# Altium PCB Carte_Alim.PcbDoc (part 1 of 2)
Units mm, origin at the board's own origin, x right, y up, seen from the top; angles counter-clockwise.
Board outline 100 x 100 mm, 2 copper layers (Component Side, Solder Side), stack 1.57 mm thick; 237 components, 108 nets, 701 pads, 318 vias.
Unrouted connection lines stored in the file: 5.
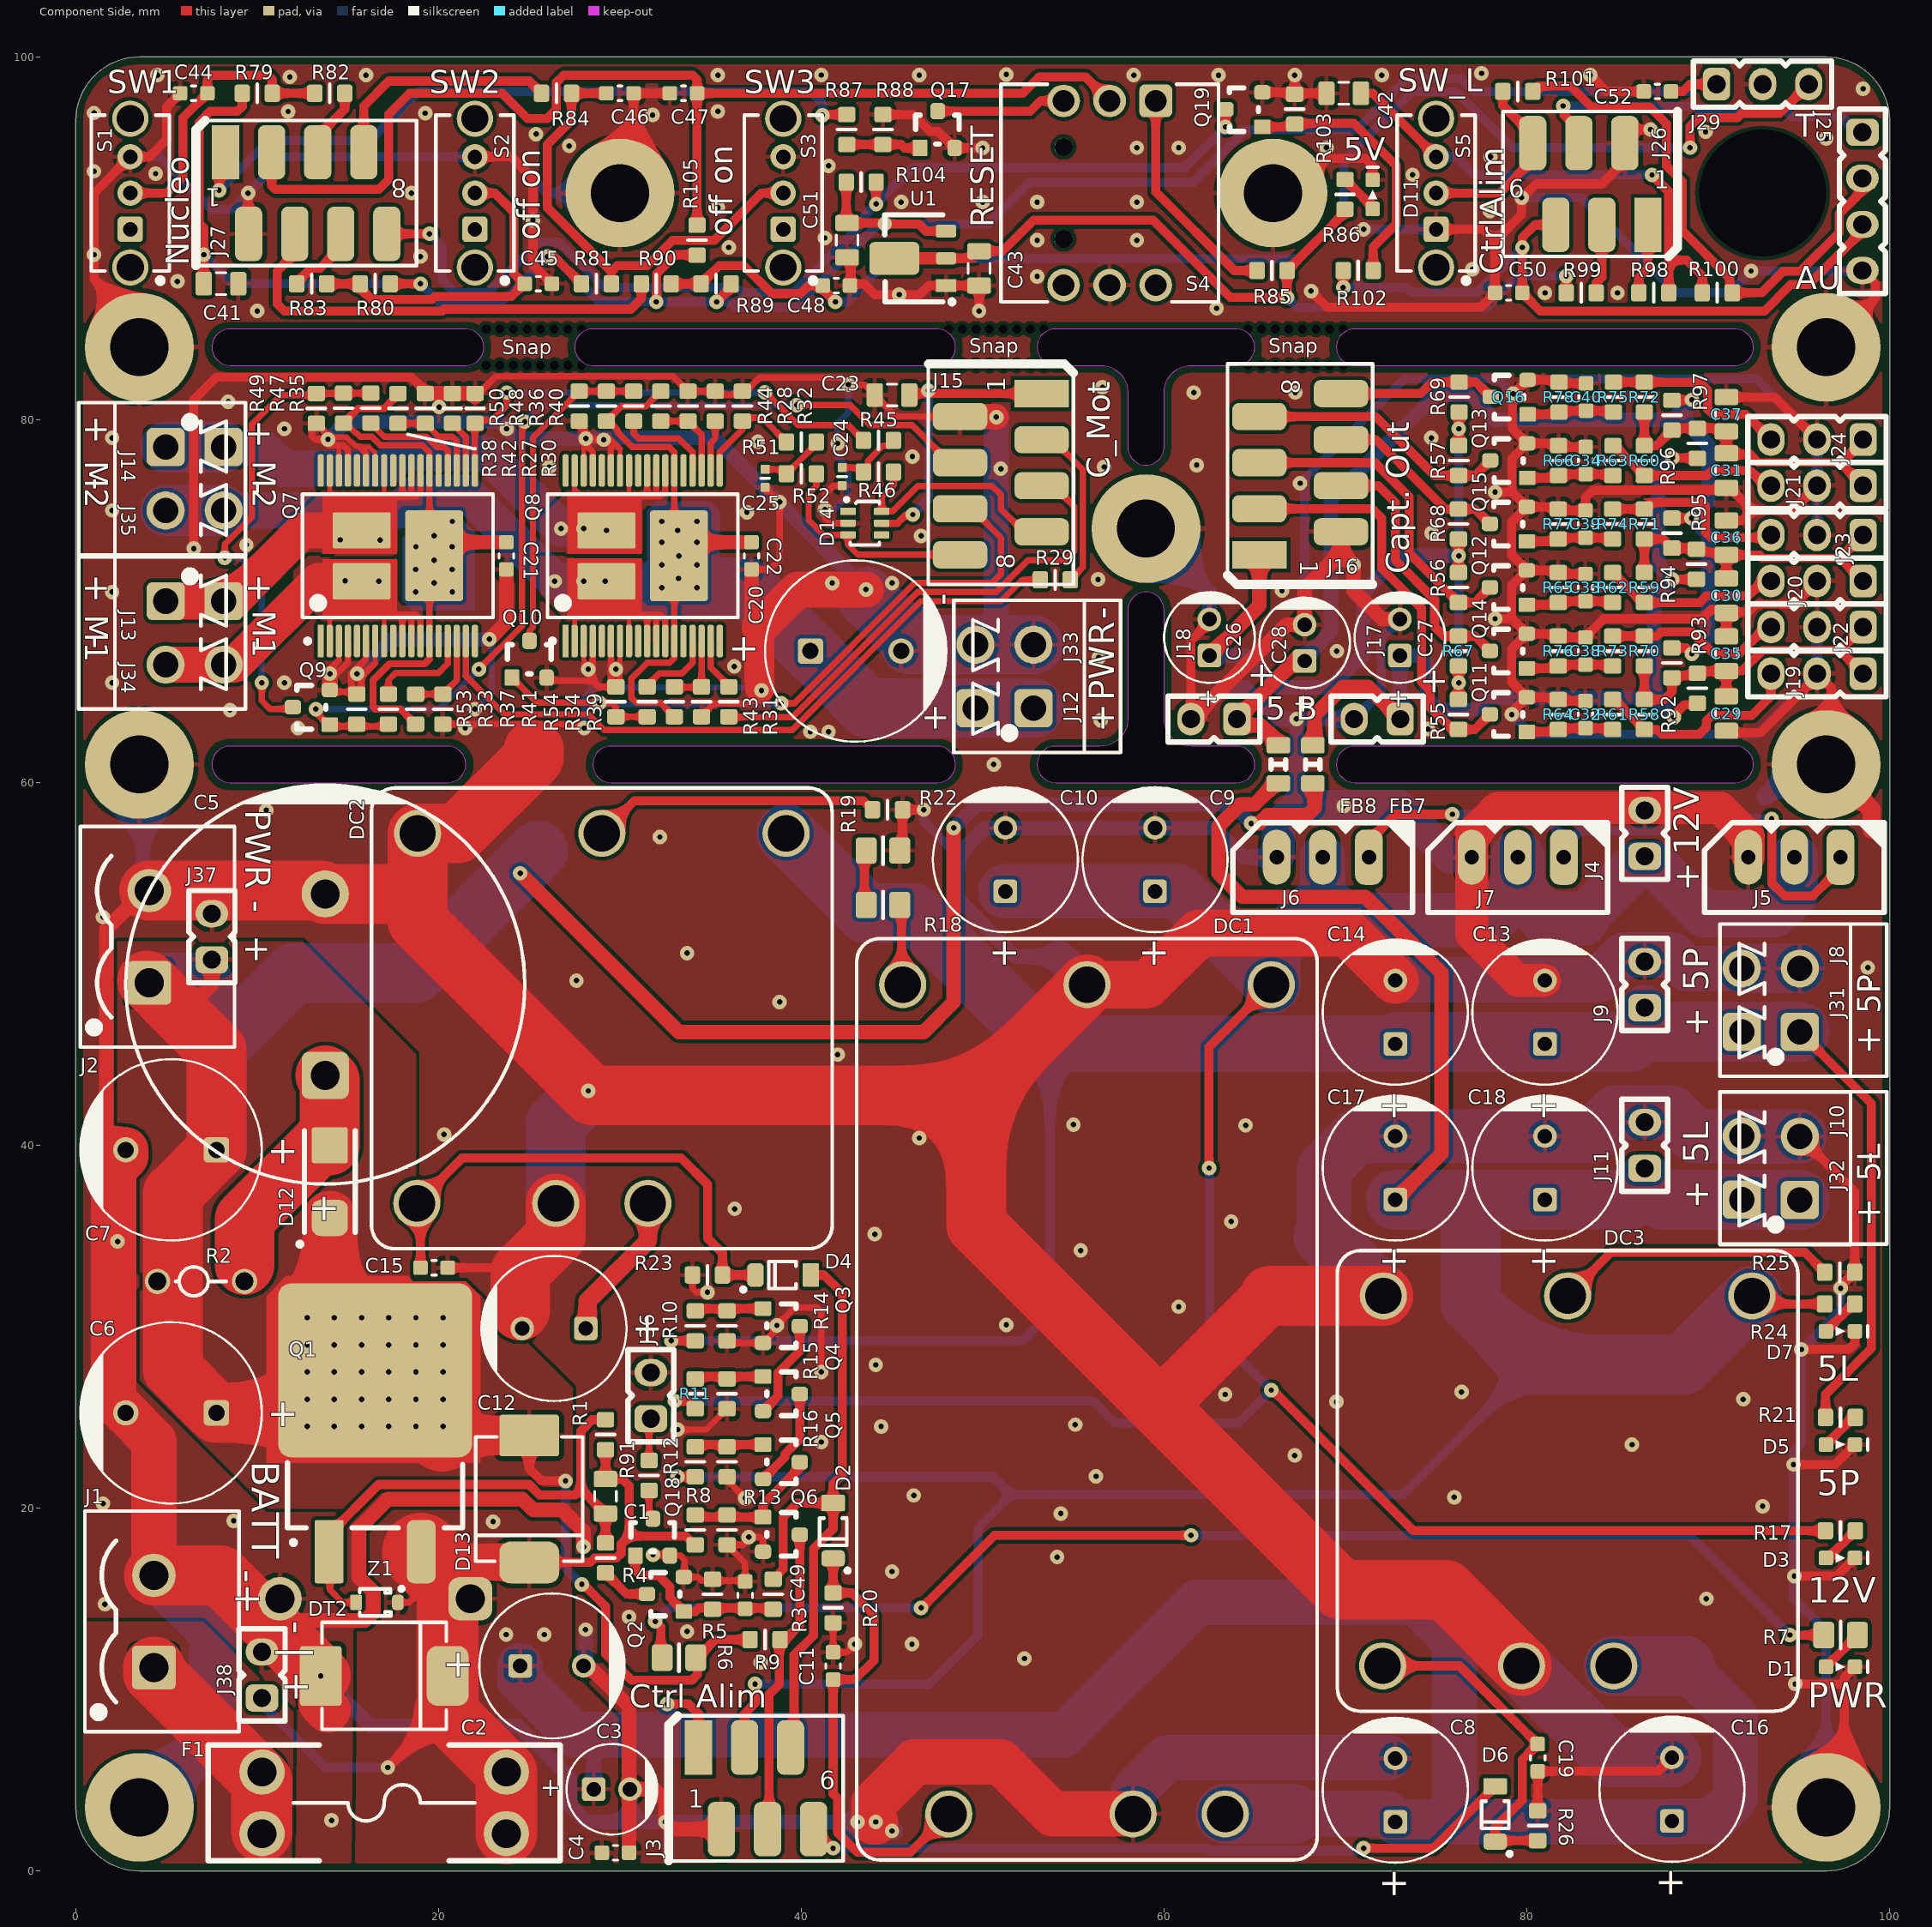
[diagram p0: Component Side view]
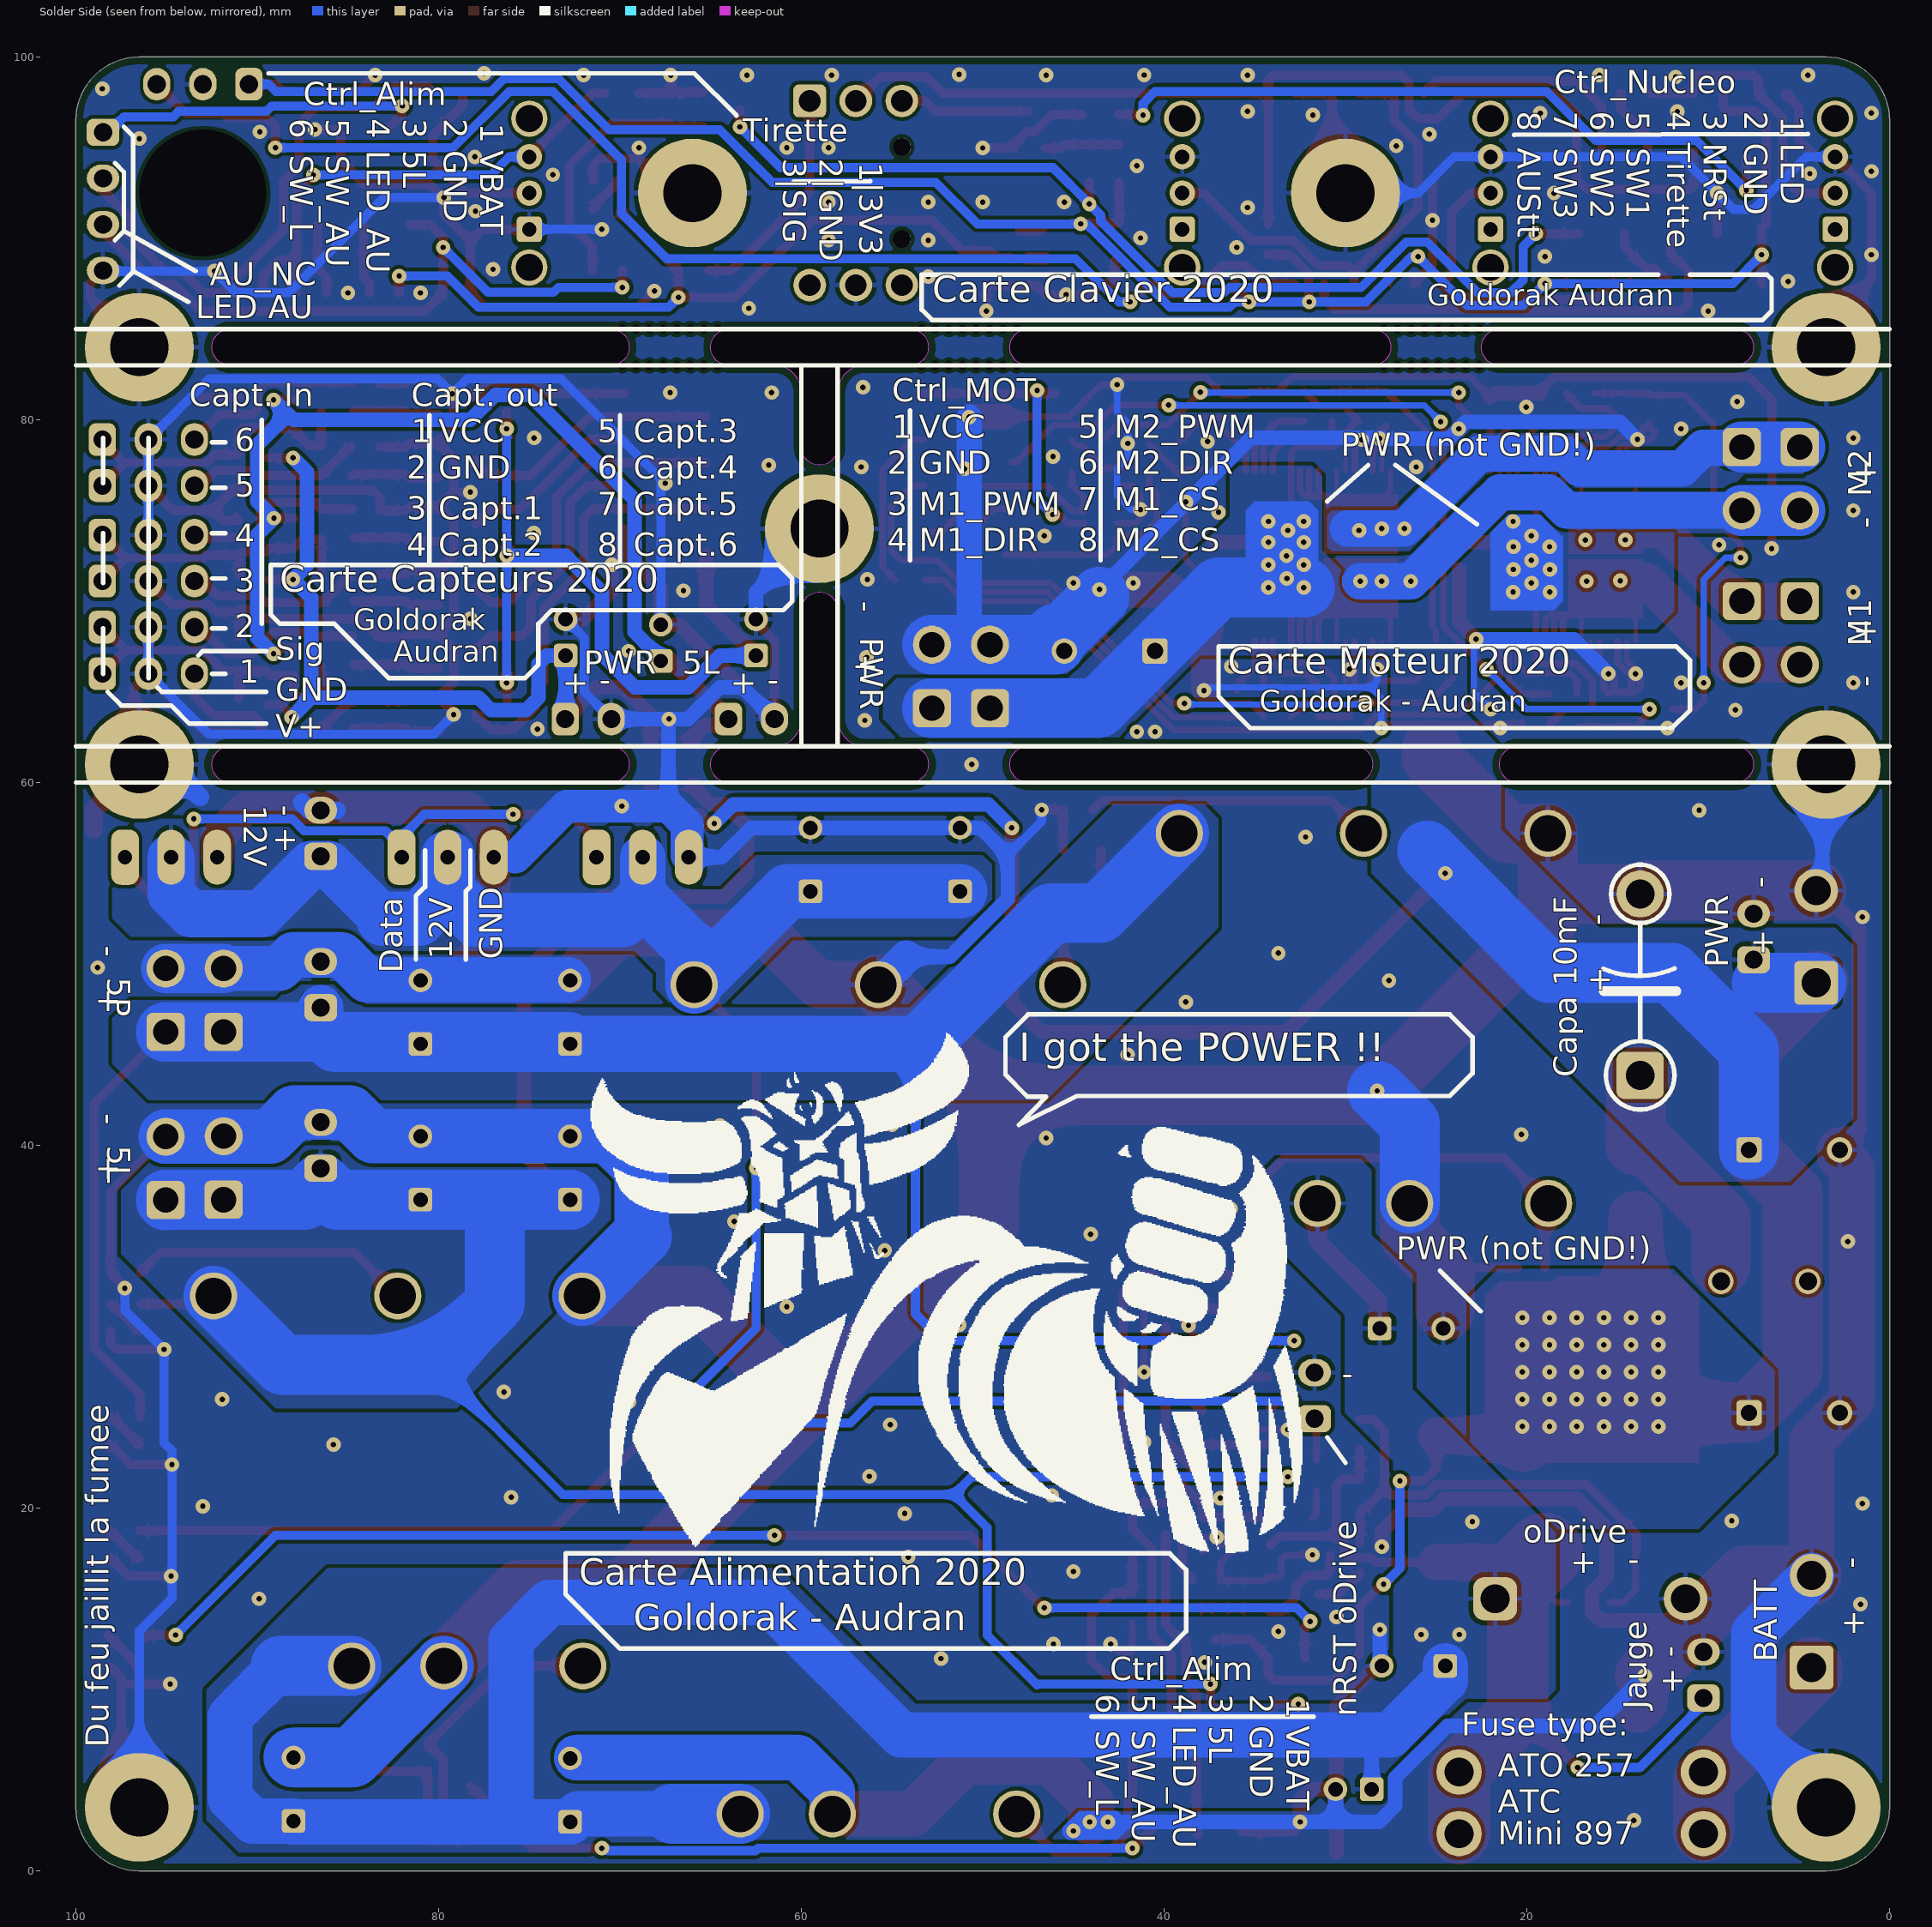
[diagram p1: Solder Side view, seen from below]
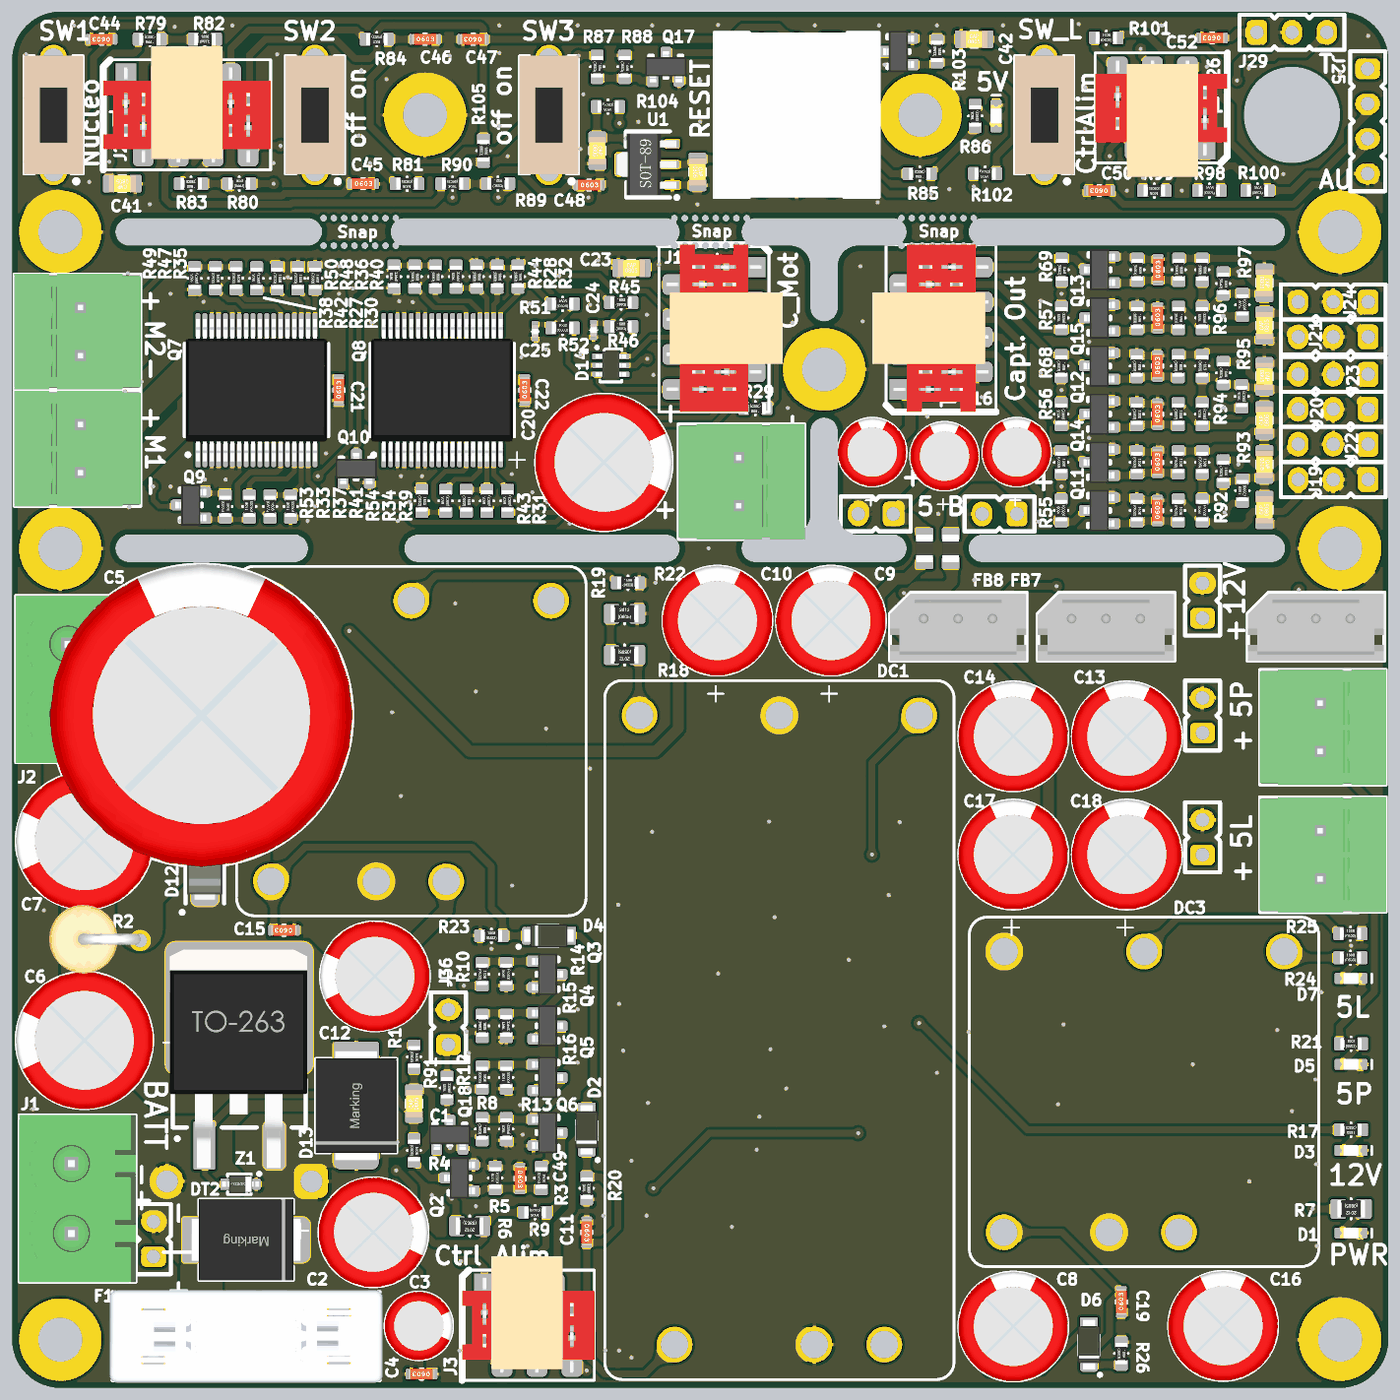
[diagram p3: 3D render of the assembled board from above, using the file's embedded part models]

## Layer stack, top to bottom
Top Solder: solder mask 0.01, Solder Resist, Dk 3.5
Component Side: signal copper 0.035
Dielectric 1: core 1.5, FR-4, Dk 4.8
Solder Side: signal copper 0.035
Bottom Solder: solder mask 0.01, Solder Resist, Dk 3.5

## Board outline
100,3.5 100,96.5 ccw(c96.5,96.5) 96.5,100 3.5,100 ccw(c3.5,96.5) 0,96.5 0,3.5 ccw(c3.5,3.5) 3.5,0 96.5,0 ccw(c96.5,3.5)
cut-out: 64,60 ccw(c64,61) 64,62 61.5,62 cw(c61.5,63.5) 60,63.5 60,69.5 ccw(c59,69.5) 58,69.5 58,63.5 cw(c56.5,63.5) 56.5,62 54,62 ccw(c54,61) 53,61 ccw(c54,61) 54,60
cut-out: 47.5,60 ccw(c47.5,61) 47.5,62 29.5,62 ccw(c29.5,61) 28.5,61 ccw(c29.5,61) 29.5,60
cut-out: 91.5,60 ccw(c91.5,61) 91.5,62 70.5,62 ccw(c70.5,61) 69.5,61 ccw(c70.5,61) 70.5,60
cut-out: 60,81.5 cw(c61.5,81.5) 61.5,83 64,83 ccw(c64,84) 64,85 54,85 ccw(c54,84) 53,84 ccw(c54,84) 54,83 56.5,83 cw(c56.5,81.5) 58,81.5 58,78.5 ccw(c59,78.5) 60,78.5
cut-out: 21.5,83 ccw(c21.5,84) 21.5,85 8.5,85 ccw(c8.5,84) 7.5,84 ccw(c8.5,84) 8.5,83
cut-out: 20.5,60 ccw(c20.5,61) 20.5,62 8.5,62 ccw(c8.5,61) 7.5,61 ccw(c8.5,61) 8.5,60
cut-out: 47.5,83 ccw(c47.5,84) 47.5,85 28.5,85 ccw(c28.5,84) 27.5,84 ccw(c28.5,84) 28.5,83
cut-out: 91.5,83 ccw(c91.5,84) 91.5,85 70.5,85 ccw(c70.5,84) 69.5,84 ccw(c70.5,84) 70.5,83

## Design rules (kind name [scope] priority, off if disabled: settings)
AssemblyTestPointUsage [All] p1 off:
AssemblyTestpoint [All] p1 off: testpointundercomponent=TRUE minsize=1.016 maxsize=2.54 preferedsize=1.524 minholesize=0 maxholesize=1.016 preferedholesize=0.813 testpointgrid=0.025 usegrid=TRUE gridtolerance=0 allowsidetop=TRUE allowsidebottom=TRUE
BoardOutlineClearance [All] p1: gap=0.4 ignorepadtopadclearanceinfootprint=FALSE
Clearance Clearance_polygon [InPolygon] p1: gap=0.2 ignorepadtopadclearanceinfootprint=FALSE except(0: Arc-Hole Track-Hole SMDPad-Hole THPad-Hole Via-Hole Fill-Hole Poly-Hole Region-Hole Text-Hole)
Clearance Clearance_for_power_net [InNetClass('Power') vs InNet('GND')] p2: gap=0.2 ignorepadtopadclearanceinfootprint=TRUE except(0: Arc-Hole Track-Hole SMDPad-Hole THPad-Hole Via-Hole Fill-Hole Poly-Hole Region-Hole Text-Hole)
Clearance Clearance_general [All] p3: gap=0.127 ignorepadtopadclearanceinfootprint=FALSE except(0: Arc-Hole Track-Hole SMDPad-Hole THPad-Hole Via-Hole Fill-Hole Poly-Hole Region-Hole Text-Hole)
ComponentClearance [All] p1: gap=0 collisioncheckmode=3 verticalgap=0 showdistances=FALSE
DiffPairsRouting [All] p1 off: maxlimit=0.254 minlimit=0.127 mostfreqgap=0.254 toplayer_minwidth=0.381 toplayer_maxwidth=0.381 toplayer_prefwidth=0.381 bottomlayer_minwidth=0.381 bottomlayer_maxwidth=0.381 bottomlayer_prefwidth=0.381 maxuncoupledlength=12.7
FabricationTestPointUsage TestPointUsage [All] p1 off: valid=0 allowmultiple=FALSE
FabricationTestpoint Testpoint [All] p1 off: side=3 testpointundercomponent=TRUE minsize=1.016 maxsize=2.54 preferedsize=1.524 minholesize=0 maxholesize=1.016 preferedholesize=0.813 testpointgrid=0.025 allowsidetop=TRUE allowsidebottom=TRUE usegrid=TRUE gridtolerance=0
FanoutControl Fanout_BGA [IsBGA] p1 off: bgadir=Out bgaviamode=Centered fanoutstyle=Auto fanoutdirection=Alternating viagrid=0.025 // Fanout_BGA (Default Rule)
FanoutControl Fanout_LCC [IsLCC] p2 off: bgadir=Out bgaviamode=Centered fanoutstyle=Auto fanoutdirection=Alternating viagrid=0.025 // Fanout_LCC (Default Rule)
FanoutControl Fanout_SOIC [IsSOIC] p3 off: bgadir=Out bgaviamode=Centered fanoutstyle=Auto fanoutdirection=Alternating viagrid=0.025 // Fanout_SOIC (Default Rule)
FanoutControl Fanout_Small [(CompPinCount < 5)] p4 off: bgadir=Out bgaviamode=Centered fanoutstyle=Auto fanoutdirection=OutThenIn viagrid=0.025 // Fanout_Small (Default Rule)
FanoutControl Fanout_Default [All] p5 off: bgadir=Out bgaviamode=Centered fanoutstyle=Auto fanoutdirection=Alternating viagrid=0.025 // Fanout_Default (Default Rule)
Height [All] p1: minheight=0 maxheight=50 prefheight=10
HoleSize [All] p1: absolutevalues=TRUE maxlimit=6.3 minlimit=0.2 maxpercent=80.000 minpercent=20.000
HoleToHoleClearance [All] p1: gap=0.4 allowstackedmicrovias=TRUE
MinimumAnnularRing [All] p1: minimumring=0.076
MinimumSolderMaskSliver [All] p1: minsoldermaskwidth=0.15
MinimumSolderMaskSliver SilkscreenOverComponentPads [All] p2 off: minsoldermaskwidth=0.254
NetAntennae [All] p1 off: netantennaetolerance=0
PlaneClearance [All] p1: clearance=0.5
PlaneConnect [All] p1: planeconnectstyle=Relief reliefexpansion=0.4 reliefentries=4 reliefconductorwidth=0.3 reliefairgap=0.2
PolygonConnect [All] p1: thpad.connectstyle=Relief thpad.reliefconductorwidth=0.25 thpad.reliefentries=4 thpad.polygonreliefangle="90 Angle" thpad.airgapwidth=0.254 smdpad.connectstyle=Relief smdpad.reliefconductorwidth=0.25 smdpad.reliefentries=4 smdpad.polygonreliefangle="90 Angle" smdpad.airgapwidth=0.254 via.connectstyle=Direct via.reliefconductorwidth=0.25 via.reliefentries=4 via.polygonreliefangle="90 Angle" via.airgapwidth=0.254
PolygonConnect PolygonConnect_Via_GND [All vs (InNet('GND') AND  IsVia)] p2 off: thpad.connectstyle=Relief thpad.reliefconductorwidth=0.25 thpad.reliefentries=4 thpad.polygonreliefangle="90 Angle" thpad.airgapwidth=0.254 smdpad.connectstyle=Relief smdpad.reliefconductorwidth=0.25 smdpad.reliefentries=4 smdpad.polygonreliefangle="90 Angle" smdpad.airgapwidth=0.254 via.connectstyle=Direct via.reliefconductorwidth=0.25 via.reliefentries=4 via.polygonreliefangle="90 Angle" via.airgapwidth=0.254
PolygonConnect PolygonConnect_Via_Power [(InNetClass('Power')  AND  IsVia)] p3 off: connectstyle=Relief reliefconductorwidth=0.25 reliefentries=4 polygonreliefangle="90 Angle" airgapwidth=0.254
RoutingCorners [All] p1: cornerstyle=45-Degree minsetback=1.5 maxsetback=2.54
RoutingVias [All] p1: holewidth=0.3 width=0.8 viastyle="Through Hole" minholewidth=0.3 minwidth=0.6 maxholewidth=0.3 maxwidth=1
SilkToSilkClearance [All] p1 off: silktosilkclearance=0.1
SolderMaskExpansion [All] p1: expansion=0.075 istentingtop=FALSE
Width [All] p1: maxlimit=15 minlimit=0.127 preferedwidth=0.5
10 further rules are at their usual default settings.

## Classes and differential pairs
net class Power_low: 3L_CAP 3L_CLAV 3L_M 5L_CAP 5L_CLAV
component class TRACO: C8 C9 C10 C11 C12 C13 C14 C15 C16 C17 C18 C19 D2 D3 D4 D5 D6 D7 DC1 DC2 DC3 J4 J5 J6 J7 J8 J9 J10 J11 J31 J32 R17 R18 R19 R20 R21 R22 R23 R24 R25 R26
component class MOT: C20 C21 C22 C23 C24 C25 D14 J12 J13 J14 J15 J33 J34 J35 Q7 Q8 Q9 Q10 R27 R28 R29 R30 R31 R32 R33 R34 R35 R36 R37 R38 R39 R40 R41 R42 R43 R44 R45 R46 R47 R48 R49 R50 R51 R52 R53 R54
component class CLAVIER: C41 C42 C43 C44 C45 C46 C47 C48 C50 C51 C52 D11 J25 J26 J27 J29 Q17 Q19 R79 R80 R81 R82 R83 R84 R85 R86 R87 R88 R89 R90 R98 R99 R100 R101 R102 R103 R104 R105 S1 S2 S3 S4 S5 U1
component class CAP: C26 C27 C28 C29 C30 C31 C32 C33 C34 C35 C36 C37 C38 C39 C40 FB7 FB8 J16 J17 J18 J19 J20 J21 J22 J23 J24 Q11 Q12 Q13 Q14 Q15 Q16 R55 R56 R57 R58 R59 R60 R61 R62 R63 R64 R65 R66 R67 R68 R69 R70 R71 R72 R73 R74 R75 R76 R77 R78 R92 R93 R94 R95 R96 R97
component class Carte_Alim_TOP: C1 C2 C3 C4 C5 C6 C7 C49 C? D1 D12 D13 D? DC? DT2 F1 F? FB? J1 J2 J3 J36 J37 J38 J? Q1 Q2 Q3 Q4 Q5 Q6 Q18 Q? R1 R2 R3 R4 R5 R6 R7 R8 R9 R10 R11 R12 R13 R14 R15 R16 R91 R? Z1
net class Power: 5L 5P 12V ALIM_AU BATT_P MOT1_N MOT1_P MOT2_N MOT2_P PWR SW_AU SW_L VBATT VBATT_CLAV

## Components (designator, comment, footprint, x,y, rotation, side; value= is the part's Value field where it differs from the comment)
C1 "1uF" "WCAP-CSGP_0805, 2x1.25x1.25" 29.2,20.65 r90 top
C2 "220 uF" WCAP-ATG8_8x11.5x3.5x0.5 26.25,11.3 r180 top
C3 "10 uF" WCAP-ATG8_5x11x2x0.5 29.55,4.5 r180 top
C4 "100nF" "WCAP-CSGP_0603, 1.6x0.8x0.8" 29.75,1 r180 top
C5 "10 mF" WCAP-ATG8_22x41x10x0.8 13.75,48.86 r270 top
C6 "330 uF" WCAP-ATG8_10x12.5x5x0.6 5.25,25.25 r0 top
C7 "330 uF" WCAP-ATG8_10x12.5x5x0.6 5.25,39.75 r0 top
C8 "220 uF" WCAP-ATG8_8x11.5x3.5x0.5 72.75,4.45 r270 top
C9 "470 uF" WCAP-ATG8_8x11.5x3.5x0.5 59.5,55.75 r270 top
C10 "470 uF" WCAP-ATG8_8x11.5x3.5x0.5 51.25,55.75 r270 top
C11 "100nF" "WCAP-CSGP_0603, 1.6x0.8x0.8" 41.75,11.3 r270 top
C12 "220 uF" WCAP-ATG8_8x11.5x3.5x0.5 26.36,29.9 r0 top
C13 "470 uF" WCAP-ATG8_8x11.5x3.5x0.5 81,47.34 r270 top
C14 "470 uF" WCAP-ATG8_8x11.5x3.5x0.5 72.75,47.34 r270 top
C15 "100nF" "WCAP-CSGP_0603, 1.6x0.8x0.8" 19.75,33.25 r180 top
C16 "220 uF" WCAP-ATG8_8x11.5x3.5x0.5 88,4.5 r270 top
C17 "470 uF" WCAP-ATG8_8x11.5x3.5x0.5 72.75,38.75 r270 top
C18 "470 uF" WCAP-ATG8_8x11.5x3.5x0.5 81,38.75 r270 top
C19 "100nF" "WCAP-CSGP_0603, 1.6x0.8x0.8" 80.6,6.24 r90 top
C20 "330 uF" WCAP-ATG8_10x12.5x5x0.6 43,67.25 r180 top
C21 "100nF" "WCAP-CSGP_0603, 1.6x0.8x0.8" 23.735,72.5 r90 top
C22 "100nF" "WCAP-CSGP_0603, 1.6x0.8x0.8" 37.25,72.5 r90 top
C23 "1uF" "WCAP-CSGP_0805, 2x1.25x1.25" 45,81.368 r0 top
C24 "10nF" "WCAP-CSGP_0402, 1x0.5x0.5" 42.25,76.865 r90 top
C25 "10nF" "WCAP-CSGP_0402, 1x0.5x0.5" 38,76.77 r90 top
C26 "10 uF" WCAP-ATG8_5x11x2x0.5 62.5,68 r270 top
C27 "10 uF" WCAP-ATG8_5x11x2x0.5 73,68 r270 top
C28 "10 uF" WCAP-ATG8_5x11x2x0.5 67.75,67.7 r270 top
C29 "1uF" "WCAP-CSGP_0805, 2x1.25x1.25" 91,63.8 r90 top
C30 "1uF" "WCAP-CSGP_0805, 2x1.25x1.25" 91,70.3 r90 top
C31 "1uF" "WCAP-CSGP_0805, 2x1.25x1.25" 91,77.2 r90 top
C32 "100nF" "WCAP-CSGP_0603, 1.6x0.8x0.8" 83.23,63.75 r90 top
C33 "100nF" "WCAP-CSGP_0603, 1.6x0.8x0.8" 83.23,70.75 r90 top
C34 "100nF" "WCAP-CSGP_0603, 1.6x0.8x0.8" 83.25,77.75 r90 top
C35 "1uF" "WCAP-CSGP_0805, 2x1.25x1.25" 91,67.1 r270 top
C36 "1uF" "WCAP-CSGP_0805, 2x1.25x1.25" 91,73.5 r270 top
C37 "1uF" "WCAP-CSGP_0805, 2x1.25x1.25" 91,80.3 r270 top
C38 "100nF" "WCAP-CSGP_0603, 1.6x0.8x0.8" 83.23,67.25 r90 top
C39 "100nF" "WCAP-CSGP_0603, 1.6x0.8x0.8" 83.23,74.25 r90 top
C40 "100nF" "WCAP-CSGP_0603, 1.6x0.8x0.8" 83.27,81.25 r90 top
C41 "1uF" "WCAP-CSGP_0805, 2x1.25x1.25" 8,87.5 r180 top
C42 "1uF" "WCAP-CSGP_0805, 2x1.25x1.25" 69.9,98 r0 top
C43 "10uF" "WCAP-CSGP_0805, 2x1.25x1.25" 49.8,88.35 r270 top
C44 "100nF" "WCAP-CSGP_0603, 1.6x0.8x0.8" 6.5,98 r180 top
C45 "100nF" "WCAP-CSGP_0603, 1.6x0.8x0.8" 25.5,87.5 r0 top
C46 "100nF" "WCAP-CSGP_0603, 1.6x0.8x0.8" 30,98 r0 top
C47 "100nF" "WCAP-CSGP_0603, 1.6x0.8x0.8" 33.5,98 r180 top
C48 "100nF" "WCAP-CSGP_0603, 1.6x0.8x0.8" 41.925,87.4 r0 top
C49 "100nF" "WCAP-CSGP_0603, 1.6x0.8x0.8" 36.9,15.2 r270 top
C50 "100nF" "WCAP-CSGP_0603, 1.6x0.8x0.8" 79,87 r180 top
C51 "10uF" "WCAP-CSGP_0805, 2x1.25x1.25" 42.525,89.9 r270 top
C52 "100nF" "WCAP-CSGP_0603, 1.6x0.8x0.8" 87.2,98.1 r180 top
D1 "150060RS75000" SMCW_0603 97.29,11.25 r180 top value=Rouge
D2 "RBR3MM40ATFTR" SOD-123FL 41.75,18.75 r270 top value=40V
D3 "150060RS75000" SMCW_0603 97.29,17.25 r180 top value=Rouge
D4 "RBR3MM40ATFTR" SOD-123FL 39,32.85 r180 top value=40V
D5 "150060RS75000" SMCW_0603 97.29,23.5 r180 top value=Rouge
D6 "RBR3MM40ATFTR" SOD-123FL 78.25,3.14 r270 top value=40V
D7 "150060RS75000" SMCW_0603 97.29,29.75 r180 top value=Rouge
D11 "150060RS75000" SMCW_0603 71.5,92.424 r270 top value=Rouge
D12 "HTA5U100" "SMA, DO-214AC" 14,38 r90 top value=100V
D13 "RS3J R6" "SMC, DO-214AB" 25,20.5 r90 top value=600V
D14 "82400274" SC70-6L 43.5,74.3 r270 top value=5V
DC1 "TEN 60-2412WIN" "TEN 60" 55.75,26 r270 top
DC2 "THN30-2411WI-A1" "THN 30WI-A1" 29,47 r180 top
DC3 "THN15-2411WI" "THN 15WI" 82.25,21.5 r180 top
DT2 "824540241" "SMC, DO-214AB" 17,10.75 r180 top value=24V
F1 "3557-2" 3557-2 17,3.75 r0 top value=na
FB7 "742792023" "WE-CBF_0805_High Current" 68.2,61 r90 top value=120O
FB8 "742792023" "WE-CBF_0805_High Current" 66.3,61 r90 top value=120O
J1 "691311500102" 691311500102 4.75,13.75 r90 top value=2
J2 "691311500102" 691311500102 4.5,51.5 r90 top value=2
J3 "690367280676" 690367280676 37.5,4.55 r180 top value=6
J4 "22-03-2021" 22-03-2021 86.5,57.2 r270 top
J5 "22-03-5035" 20-03-5035 94.75,55.25 r0 top
J6 "22-03-5035" 20-03-5035 68.75,55.25 r0 top
J7 "22-03-5035" 20-03-5035 79.5,55.25 r0 top
J8 "691322110002" 691322110002 95.25,48 r90 top value=2
J9 "22-03-2021" 22-03-2021 86.5,48.86 r270 top
J10 "691322110002" 691322110002 95.25,38.75 r90 top value=2
J11 "22-03-2021" 22-03-2021 86.5,40 r270 top
J12 "691322110002" 691322110002 53,65.85 r90 top value=2
J13 "691322110002" 691322110002 4.75,68.25 r270 top value=2
J14 "691322110002" 691322110002 4.75,76.75 r270 top value=2
J15 "690367280876" 690367280876 51,77 r90 top value=8
J16 "690367280876" 690367280876 67.5,77 r270 top value=8
J17 "22-03-2021" 22-03-2021 71.75,63.5 r0 top
J18 "22-03-2021" 22-03-2021 62.75,63.5 r0 top
J19 "22-03-2031" 22-03-2031 96,66 r0 top
J20 "22-03-2031" 22-03-2031 96,71.11 r0 top
J21 "22-03-2031" 22-03-2031 96,76.37 r0 top
J22 "22-03-2031" 22-03-2031 96,68.57 r0 top
J23 "22-03-2031" 22-03-2031 96,73.65 r0 top
J24 "22-03-2031" 22-03-2031 96,78.91 r0 top
J25 "22-03-2041" 22-03-2041 98.5,92.04 r90 top
J26 "690367280676" 690367280676 83.5,93 r0 top value=6
J27 "690367280876" 690367280876 12.7,92.5 r180 top value=8
J29 "22-03-2031" 22-03-2031 93,98.5 r180 top
J31 "691321100002" 691321100002 94.25,48 r90 top value=2
J32 "691321100002" 691321100002 94.25,38.73 r90 top value=2
J33 "691321100002" 691321100002 52,65.85 r90 top value=2
J34 "691321100002" 691321100002 5.75,68.25 r270 top value=2
J35 "691321100002" 691321100002 5.75,76.75 r270 top value=2
J36 "22-03-2021" 22-03-2021 31.7,26.2 r270 top
J37 "22-03-2021" 22-03-2021 7.5,51.5 r270 top
J38 "22-03-2021" 22-03-2021 10.265,10.8 r270 top
Q1 "SQM120P06-07L_GE3" "TO263AB, D2PAK" 16.5,22.6 r0 top
Q2 "2N7002" SOT-23 32.5,15.25 r90 top
Q3 "2N7002" SOT-23 38.9,30.05 r270 top
Q4 "2N7002" SOT-23 38.9,26.3 r270 top
Q5 "2N7002" SOT-23 38.9,22.55 r270 top
Q6 "2N7002" SOT-23 38.9,18.55 r270 top
Q7 "VNH5180ATR-E" SSOP50P1030X247-36N 17.75,72.5 r90 top
Q8 "VNH5180ATR-E" SSOP50P1030X247-36N 31.25,72.5 r90 top
Q9 "2N7002" SOT-23 12.984,64.147 r90 top
Q10 "2N7002" SOT-23 25,66.798 r0 top
Q11 "2N7002" SOT-23 78.98,63.75 r90 top
Q12 "2N7002" SOT-23 78.98,70.75 r90 top
Q13 "2N7002" SOT-23 79,77.75 r90 top
Q14 "2N7002" SOT-23 78.98,67.25 r90 top
Q15 "2N7002" SOT-23 78.98,74.25 r90 top